# Altium PCB GN-1846-A-V2.PcbDoc (part 3 of 4)
Units mil, origin at the board's own origin, x right, y up, seen from the top; angles counter-clockwise.
Board outline 11624.17 x 2384.02 mil, 4 copper layers (Top, GND, VCC, Bottom), stack 40.7 mil thick; 450 components, 346 nets, 1652 pads, 832 vias.
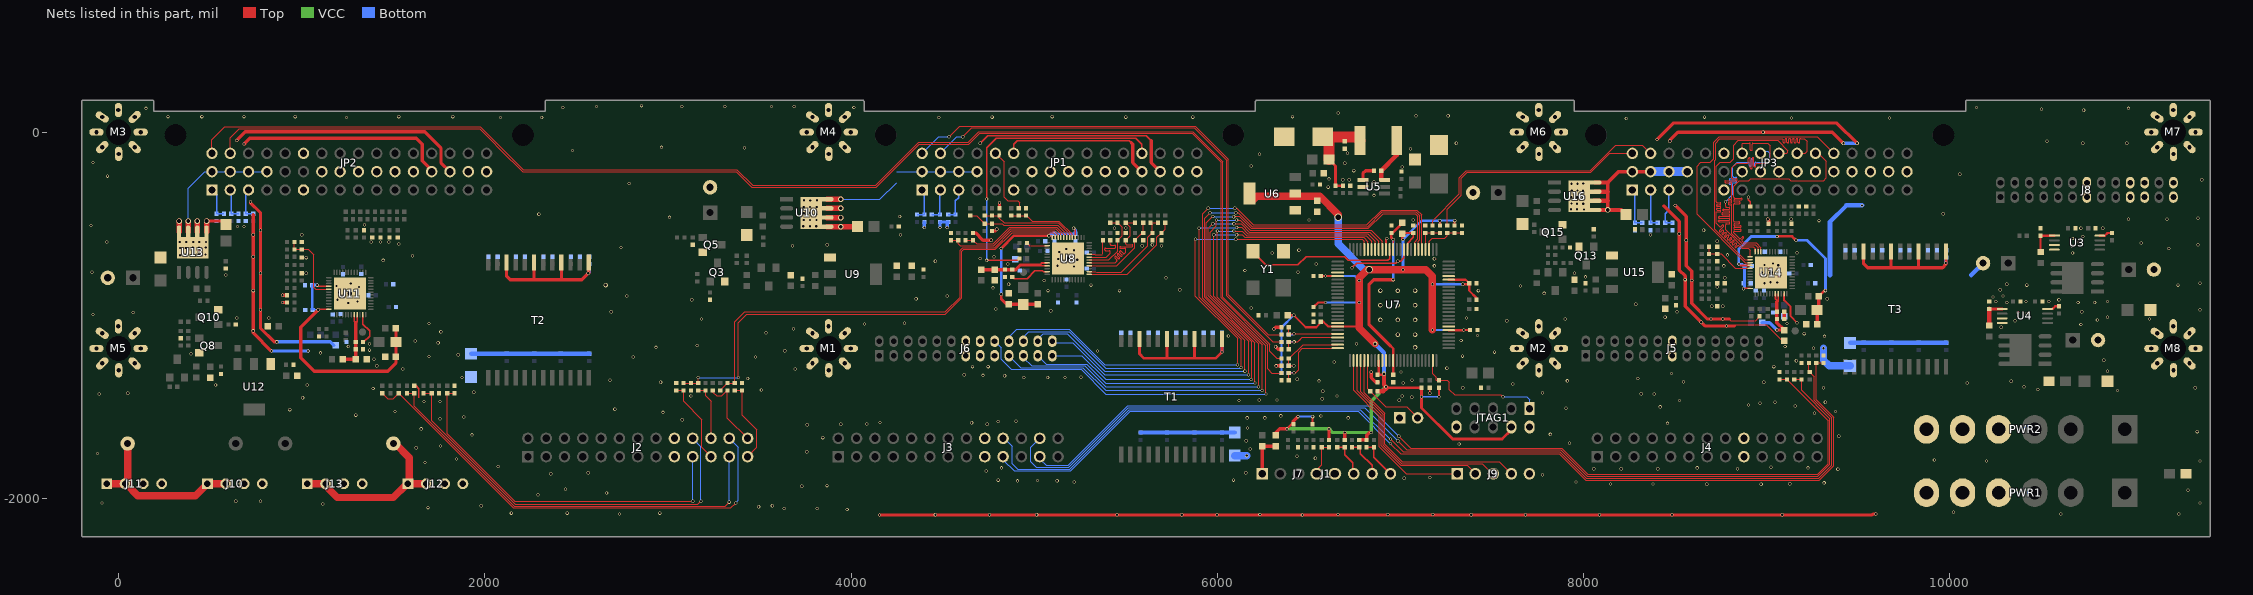
[diagram p5: the nets of this part, all layers, seen from the top]

## Via types
v1: diameter 18, hole 12, Top to Bottom, 768 vias
v2: diameter 24, hole 16, Top to Bottom, 34 vias
v3: diameter 30, hole 20, Top to Bottom, 27 vias
v4: diameter 40, hole 30, Top to Bottom, 2 vias
v5: diameter 24, hole 14, Top to Bottom, 1 vias

## Nets (pads, with @x,y where several pads share a name; then routed paths per layer and width w, separated by ;. In a path a pad name is that pad's centre, name@x,y a point inside that pad or via, vN(x,y) a via of type N, cw(c..) or ccw(c..) an arc to the next point about the centre after c; other vN are vias at no path point) (continued)
CRGMII_TXCKOUT: JP3.A11 U14.22 | length 1539.2
  Top w5: U14.22@8968.27,-651.89 8968.27,-630 8943.27,-605 8875,-605 8863.79,-593.79 cw(c8866.97,-590.61) 8863.79,-587.42 8871.82,-579.39 ccw(c8868.64,-576.21) 8871.82,-573.03 8871.11,-572.32 ccw(c8867.93,-575.5) 8864.75,-572.32 8856.72,-580.35 cw(c8853.54,-577.17) 8850.35,-580.35 8820,-550 8820,-544.5 cw(c8824.5,-544.5) 8824.5,-540 8855.5,-540 ccw(c8855.5,-535.5) 8860,-535.5 8860,-534.5 ccw(c8855.5,-534.5) 8855.5,-530 8824.5,-530 cw(c8824.5,-525.5) 8820,-525.5 8820,-524.5 cw(c8824.5,-524.5) 8824.5,-520 8855.5,-520 ccw(c8855.5,-515.5) 8860,-515.5 8860,-514.5 ccw(c8855.5,-514.5) 8855.5,-510 8824.5,-510 cw(c8824.5,-505.5) 8820,-505.5 8820,-504.5 cw(c8824.5,-504.5) 8824.5,-500 8846.87,-500 ccw(c8846.87,-495.5) 8851.37,-495.5 8851.37,-494.5 ccw(c8846.87,-494.5) 8846.87,-490 8824.5,-490 cw(c8824.5,-485.5) 8820,-485.5 8820,-394.5 cw(c8824.5,-394.5) 8824.5,-390 8849.56,-390 ccw(c8849.56,-385.5) 8854.06,-385.5 8854.06,-384.5 ccw(c8849.56,-384.5) 8849.56,-380 8824.5,-380 cw(c8824.5,-375.5) 8820,-375.5 8820,-374.5 cw(c8824.5,-374.5) 8824.5,-370 8860.5,-370 ccw(c8860.5,-365.5) 8865,-365.5 8865,-364.5 ccw(c8860.5,-364.5) 8860.5,-360 8824.5,-360 cw(c8824.5,-355.5) 8820,-355.5 8820,-295 8850,-265 8902.13,-265 8912.13,-255 9120,-255 9130,-265 9310,-265 9325,-250 9325,-160 9273.14,-108.14 JP3.A11@9265.75,-115.52
CRGMII_TXD0: JP3.A7 U14.23 | length 1537.8
  Top w5: 8770,-270.5 ccw(c8774.5,-270.5) 8774.5,-275 8805.5,-275 cw(c8805.5,-279.5) 8810,-279.5 8810,-360.5 cw(c8805.5,-360.5) 8805.5,-365 8793.73,-365 ccw(c8793.73,-369.5) 8789.23,-369.5 ; 8770,-269.5 cw(c8774.5,-269.5) 8774.5,-265 8834,-265 ccw(c8834,-260.5) 8838.5,-260.5 ; 8789.23,-390.5 ccw(c8793.73,-390.5) 8793.73,-395 8805.5,-395 cw(c8805.5,-399.5) 8810,-399.5 8810,-554.14 8870.86,-615 8937.52,-615 8952.52,-630 U14.23@8952.52,-651.89 ; 8789.23,-389.5 cw(c8793.73,-389.5) 8793.73,-385 8805.5,-385 ccw(c8805.5,-380.5) 8810,-380.5 ; 8789.23,-370.5 ccw(c8793.73,-370.5) 8793.73,-375 8805.5,-375 cw(c8805.5,-379.5) 8810,-379.5 ; 8838.5,-259.5 ccw(c8834,-259.5) 8834,-255 8814.5,-255 cw(c8814.5,-250.5) 8810,-250.5 8810,-195 8835,-170 8895.5,-170 ccw(c8895.5,-165.5) 8900,-165.5 8900,-144.5 cw(c8904.5,-144.5) 8904.5,-140 8905.5,-140 cw(c8905.5,-144.5) 8910,-144.5 8910,-195.5 ccw(c8914.5,-195.5) 8914.5,-200 8915.5,-200 ccw(c8915.5,-195.5) 8920,-195.5 8920,-144.5 cw(c8924.5,-144.5) 8924.5,-140 8925.5,-140 cw(c8925.5,-144.5) 8930,-144.5 8930,-184.96 ccw(c8934.5,-184.96) 8934.5,-189.46 8935.5,-189.46 ccw(c8935.5,-184.96) 8940,-184.96 8940,-174.5 cw(c8944.5,-174.5) 8944.5,-170 9005,-170 9020,-155 9020,-75 9005,-60 8924.5,-60 ccw(c8924.5,-64.5) 8920,-64.5 8920,-95.5 cw(c8915.5,-95.5) 8915.5,-100 8914.5,-100 cw(c8914.5,-95.5) 8910,-95.5 8910,-64.5 ccw(c8905.5,-64.5) 8905.5,-60 8870,-60 8865.75,-64.25 JP3.A7@8865.75,-118.39
CRGMII_TXD1: JP3.A8 U14.24 | length 1563.4
  Top w5: v1(8775,-380) 8775,-405.5 ccw(c8779.5,-405.5) 8779.5,-410 8794.31,-410 cw(c8794.31,-414.5) 8798.81,-414.5 8798.81,-415.5 cw(c8794.31,-415.5) 8794.31,-420 8765.19,-420 ccw(c8765.19,-424.5) 8760.69,-424.5 8760.69,-425.5 ccw(c8765.19,-425.5) 8765.19,-430 8794.31,-430 cw(c8794.31,-434.5) 8798.81,-434.5 8798.81,-435.5 cw(c8794.31,-435.5) 8794.31,-440 8759.46,-440 ccw(c8759.46,-444.5) 8754.96,-444.5 8754.96,-445.5 ccw(c8759.46,-445.5) 8759.46,-450 8794.31,-450 cw(c8794.31,-454.5) 8798.81,-454.5 8798.81,-455.5 cw(c8794.31,-455.5) 8794.31,-460 8740.69,-460 ccw(c8740.69,-464.5) 8736.19,-464.5 8736.19,-465.5 ccw(c8740.69,-465.5) 8740.69,-470 8794.31,-470 cw(c8794.31,-474.5) 8798.81,-474.5 8798.81,-475.5 cw(c8794.31,-475.5) 8794.31,-480 8740.69,-480 ccw(c8740.69,-484.5) 8736.19,-484.5 8736.19,-485.5 ccw(c8740.69,-485.5) 8740.69,-490 8794.31,-490 cw(c8794.31,-494.5) 8798.81,-494.5 8798.81,-495.5 cw(c8794.31,-495.5) 8794.31,-500 8779.5,-500 ccw(c8779.5,-504.5) 8775,-504.5 8775,-533.28 8866.72,-625 8925,-625 8936.78,-636.78 U14.24@8936.78,-651.89
  Bottom w5: v1(8775,-380) 8815,-340 8815,-289.5 ccw(c8810.5,-289.5) 8810.5,-285 8799.5,-285 cw(c8799.5,-280.5) 8795,-280.5 8795,-279.5 cw(c8799.5,-279.5) 8799.5,-275 8830.5,-275 ccw(c8830.5,-270.5) 8835,-270.5 8835,-269.5 ccw(c8830.5,-269.5) 8830.5,-265 8799.5,-265 cw(c8799.5,-260.5) 8795,-260.5 8795,-259.5 cw(c8799.5,-259.5) 8799.5,-255 8830.5,-255 ccw(c8830.5,-250.5) 8835,-250.5 8835,-249.5 ccw(c8830.5,-249.5) 8830.5,-245 8819.5,-245 cw(c8819.5,-240.5) 8815,-240.5 8815,-190 8840,-165 8900.5,-165 cw(c8900.5,-169.5) 8905,-169.5 8905,-180.5 ccw(c8909.5,-180.5) 8909.5,-185 8910.5,-185 ccw(c8910.5,-180.5) 8915,-180.5 8915,-149.5 cw(c8919.5,-149.5) 8919.5,-145 8920.5,-145 cw(c8920.5,-149.5) 8925,-149.5 8925,-180.5 ccw(c8929.5,-180.5) 8929.5,-185 8930.5,-185 ccw(c8930.5,-180.5) 8935,-180.5 8935,-169.5 cw(c8939.5,-169.5) 8939.5,-165 9010,-165 9015,-160 9015,-115 9005,-105 8976.27,-105 JP3.A8@8965.75,-115.52
CRGMII_TXD2: JP3.A9 U14.25 | length 1555.2
  Top w5: 8725,-420.5 ccw(c8729.5,-420.5) 8729.5,-425 8745.42,-425 cw(c8745.42,-429.5) 8749.92,-429.5 ; 8725,-419.5 cw(c8729.5,-419.5) 8729.5,-415 8745.42,-415 ccw(c8745.42,-410.5) 8749.92,-410.5 ; 8725,-400.5 ccw(c8729.5,-400.5) 8729.5,-405 8745.42,-405 cw(c8745.42,-409.5) 8749.92,-409.5 ; 8725,-399.5 cw(c8729.5,-399.5) 8729.5,-395 8745.42,-395 ccw(c8745.42,-390.5) 8749.92,-390.5 ; 8749.92,-430.5 cw(c8745.42,-430.5) 8745.42,-435 8725,-435 8725,-497.43 8742.82,-515.25 ccw(c8746,-512.06) 8749.18,-515.25 8756.61,-507.82 cw(c8759.79,-511) 8762.98,-507.82 8763.68,-508.52 cw(c8760.5,-511.7) 8763.68,-514.89 8742.04,-536.53 ccw(c8745.22,-539.72) 8742.04,-542.9 8742.74,-543.6 ccw(c8745.93,-540.42) 8749.11,-543.6 8756.96,-535.75 cw(c8760.14,-538.93) 8763.32,-535.75 8764.03,-536.46 cw(c8760.85,-539.64) 8764.03,-542.82 8756.18,-550.68 ccw(c8759.36,-553.86) 8756.18,-557.04 8756.89,-557.75 ccw(c8760.07,-554.56) 8763.25,-557.75 8771.1,-549.89 cw(c8774.29,-553.08) 8777.47,-549.89 8778.17,-550.6 cw(c8774.99,-553.78) 8778.17,-556.96 8770.32,-564.82 ccw(c8773.5,-568) 8770.32,-571.18 8771.03,-571.89 ccw(c8774.21,-568.71) 8777.39,-571.89 8785.25,-564.04 cw(c8788.43,-567.22) 8791.61,-564.04 8792.32,-564.74 cw(c8789.13,-567.92) 8792.32,-571.11 8784.46,-578.96 ccw(c8787.65,-582.14) 8784.46,-585.32 8785.17,-586.03 ccw(c8788.35,-582.85) 8791.53,-586.03 8799.39,-578.18 cw(c8802.57,-581.36) 8805.75,-578.18 8806.46,-578.88 cw(c8803.28,-582.07) 8806.46,-585.25 8798.61,-593.1 ccw(c8801.79,-596.28) 8798.61,-599.47 8799.31,-600.17 ccw(c8802.49,-596.99) 8805.68,-600.17 8813.53,-592.32 cw(c8816.71,-595.5) 8819.89,-592.32 8820.6,-593.03 cw(c8817.42,-596.21) 8820.6,-599.39 8812.75,-607.24 ccw(c8815.93,-610.43) 8812.75,-613.61 8813.45,-614.32 ccw(c8816.64,-611.13) 8819.82,-614.32 8827.67,-606.46 cw(c8830.85,-609.64) 8834.04,-606.46 8834.74,-607.17 cw(c8831.56,-610.35) 8834.74,-613.53 8826.89,-621.39 ccw(c8830.07,-624.57) 8826.89,-627.75 8827.6,-628.46 ccw(c8830.78,-625.28) 8833.96,-628.46 8841.81,-620.6 cw(c8845,-623.79) 8848.18,-620.6 8862.57,-635 8900,-635 8908.43,-643.43 U14.25@8908.43,-680.24 ; 8749.92,-389.5 ccw(c8745.42,-389.5) 8745.42,-385 8729.5,-385 cw(c8729.5,-380.5) 8725,-380.5 8725,-185 8745,-165 8800,-165 8820,-145 8820,-70 8845,-45 9060,-45 9115,-100 9115,-110 9109.48,-115.52 JP3.A9@9065.75,-115.52
CRGMII_TXD3: JP3.A10 U14.26 | length 1560.5
  Top w5: U14.26@8908.43,-695.98 8880.98,-695.98 8715,-530 8715,-154.14 8720,-149.14 8720,-59.14 8744.14,-35 9085,-35 9090,-40 9090,-54.02 ccw(c9094.5,-54.02) 9094.5,-58.52 9095.5,-58.52 ccw(c9095.5,-54.02) 9100,-54.02 9100,-39.5 cw(c9104.5,-39.5) 9104.5,-35 9105.5,-35 cw(c9105.5,-39.5) 9110,-39.5 9110,-54.02 ccw(c9114.5,-54.02) 9114.5,-58.52 9115.5,-58.52 ccw(c9115.5,-54.02) 9120,-54.02 9120,-39.5 cw(c9124.5,-39.5) 9124.5,-35 9125.5,-35 cw(c9125.5,-39.5) 9130,-39.5 9130,-54.02 ccw(c9134.5,-54.02) 9134.5,-58.52 9135.5,-58.52 ccw(c9135.5,-54.02) 9140,-54.02 9140,-39.5 cw(c9144.5,-39.5) 9144.5,-35 9145.5,-35 cw(c9145.5,-39.5) 9150,-39.5 9150,-54.02 ccw(c9154.5,-54.02) 9154.5,-58.52 9155.5,-58.52 ccw(c9155.5,-54.02) 9160,-54.02 9160,-39.5 cw(c9164.5,-39.5) 9164.5,-35 9165.5,-35 cw(c9165.5,-39.5) 9170,-39.5 9170,-54.02 ccw(c9174.5,-54.02) 9174.5,-58.52 9175.5,-58.52 ccw(c9175.5,-54.02) 9180,-54.02 9180,-39.5 cw(c9184.5,-39.5) 9184.5,-35 9205,-35 9220,-50 9220,-105 9209.48,-115.52 JP3.A10@9165.75,-115.52
CRGMII_TXEN: JP3.A12 U14.27 | length 1563.4
  Top w5: U14.27@8908.43,-711.73 8882.59,-711.73 8620,-449.14 8620,-185 8640,-165 8690,-165 8710,-145 8710,-55 8740,-25 9275.62,-25 JP3.A12@9365.75,-115.13
EPHY_CLK: JP1.A13 R39.1 | length 1731.5
  Top w8: v1(4740,-700) 4910,-700 R39.1@4920,-690 ; v1(4740,-365) 4740,-85 4791.85,-33.15 5555.11,-33.15 5587.8,-65.84 JP1.A13@5587.8,-115.41
  Bottom w8: v1(4740,-700) v1(4740,-365)
EPHY_RSTN: JP1.A5 R35.1 | length 386.6
  Top w5: JP1.A5@4787.8,-115.41 4835,-162.61 4835,-355 4855,-375 4910,-375 4920,-385 R35.1@4920,-415
F3V3A: B2.2 C26.1 C27.1 U7.13 U7.63 | length 1088.8
  Top w8: C26.1@6950,-550 C26.1@6955.47,-550 ; U7.63@6959.81,-640.27 6960,-640.08 v1(6960,-585.84)
  Top w12: 6943.15,-1165.84 6944.81,-1165.84 6959.81,-1180.84 U7.13@6959.81,-1246.56 C27.1@6959.81,-1324.81
  Top w15: C26.1@6950,-550 6950,-575.84 v1(6960,-585.84) ; C26.1@6955.47,-550 B2.2@7010,-495.47
  Top w18: 6943.15,-1165.84 6828.15,-1050.84 6828.15,-830 6853.15,-805 v1(6960,-805)
  Bottom w15: v1(6960,-805) v1(6960,-585.84)
F3V3D: B1.1 B2.1 B13.2 C14.1 C15.1 C21.1 C22.1 C23.1 C24.1 C25.1 JTAG1.4 R17.1 R19.1 R20.1 R23.2 R300.1 R301.1 R302.1 R304.1 R426.2 R427.2 R428.2 R429.2 R430.2 R431.2 R432.1 R433.1 R500.2 U6.2 U6.4 U7.9 U7.31 U7.45 U7.59 U7.80 U7.94 | length 7436.6
  Top w8: U7.59@7038.55,-640.27 7038.55,-606.45 7070,-575 C25.1@7070,-550
  Top w10: C24.1@6565,-785 v1(6590,-785) ; v1@6590.94,-785.94 U7.80@6656.66,-785.94 ; v1(7210,-1445) R19.1@7210,-1395
  Top w12: v1(6380,-1620) R432.1@6405,-1595 ; B1.1@6393,-1000 B1.1@6384.53,-1000 v1(6417,-1000) 6482,-1065 6540,-1065 6565,-1040 C21.1@6565,-1035 6578.47,-1035 6605,-1061.53 6773.47,-1061.53 ; R433.1@6520,-1595 v1(6520,-1553) ; R17.1@6525,-955 6550,-930 v1(6590,-930) ; C23.1@6880,-1325 6881.07,-1323.93 U7.9@6881.07,-1246.56 ; B2.1@7010,-554.53 7014.53,-550 C25.1@7070,-550 ; R431.2@7215,-510 v1@7215,-485 ; U7.31@7262.96,-1081.21 v1@7343.79,-1081.21 ; U7.45@7262.96,-805.62 7355.62,-805.62 C15.1@7375,-825 7375,-865 7415,-905 R23.2@7415,-915 ; R430.2@7295,-510 v1@7295,-484 ; v1(7345,-1080) C22.1@7380,-1080
  Top w15: C23.1@6880,-1325 v2@6905,-1325 ; v1@6925,-1395 R20.1@7115,-1395 v1(7115,-1445) 7115,-1505 7285,-1675 7555,-1675 7605,-1625 JTAG1.4@7605,-1610 ; v1@7010,-582.69 B2.1@7010,-554.53 ; v1(7340,-830) C15.1@7370,-830
  Top w18: B13.2@6320,-1655.47 6320,-1640 6340,-1620 v1(6380,-1620) ; R432.1@6415,-1595 6415,-1578 v1(6440,-1553) ; R302.1@6610,-1680 v1(6610,-1620) ; R301.1@6695,-1680 v1(6695,-1640) ; R300.1@6775,-1680 R304.1@6815,-1680 6815,-1655 6830,-1640
  Top w24: R500.2@6875,-1415 6905,-1415 v1@6925,-1395 ; v2(6910,-1320) 6910,-1380.11 6919.94,-1390.06 v1@6924.89,-1395
  Top w40: U6.4@6195,-370 6215,-350 6560,-350 v4@6660,-450 ; 6773.15,-1067.92 v2(6861.07,-1155.84) ; 6775,-1060 6775,-793.99 v4@6818.15,-750.84 ; v4@6830,-750.84 v1(7013.15,-750.84) 7138.15,-750.84 7173.15,-785.84 v1@7173.15,-1080
  VCC w18: v1(6380,-1620) v1(6610,-1620) 6630,-1640 v1(6695,-1640) v1(6840,-1640) 6840,-1470 v1(6920,-1390)
  Bottom w10: v1(7115,-1445) v1(7210,-1445)
  Bottom w12: R429.2@6350,-1315 R426.2@6350,-1105 6350,-1067 v1(6417,-1000) ; v1(6440,-1553) v1(6520,-1553) ; v1(6590,-930) v1@6770,-930 ; v1(6590,-785) 6750,-785 v1(6775,-810) ; v1(7013.15,-585.84) 7114.99,-484 v1(7214,-484) ; v1(7175,-1080) v1(7345,-1080) ; v1@7215,-483 v1(7296,-483)
  Bottom w15: v1(7013.15,-750.84) v1(7013.15,-585.84) ; v1(7175,-830) v1(7340,-830)
  Bottom w24: v2(6861.07,-1155.84) 6910,-1204.77 v2(6910,-1320)
  Bottom w40: v4(6660,-465) 6660,-610 6800,-750
  other v1: 6775,-930
  other v4: 6830,-750
F_25MHZ: U7.64 Y1.3 | length 866.2
  Top w8: Y1.3@6204.61,-639.69 6204.61,-664.61 6265,-725 6440,-725 6485,-680 6695,-680 6715,-700 6930,-700 6940.12,-689.88 U7.64@6940.12,-640.27
G0_UART_RX: R75.2 R421.1 R426.1 U7.96 | length 338
  Top w5: R421.1@6390,-1065 R75.2@6390,-1105 6394.1,-1100.9 6418,-1100.9 U7.96@6656.66,-1100.9
  Bottom w8: R426.1@6390,-1105 6414,-1105 v1(6418,-1101)
G0_UART_TX: R76.2 R420.1 R427.1 U7.97 | length 366.2
  Top w5: R420.1@6390,-1185 R76.2@6390,-1145 v1(6419,-1145) 6438.58,-1145 6463,-1120.58 ; 6448.58,-1135 6463,-1120.58 ; U7.97@6656.66,-1120.58 6463,-1120.58
  Bottom w8: R427.1@6390,-1145 v1(6419,-1145)
G1_UART_RX: R135.2 R422.1 R428.1 U7.99 | length 381.7
  Top w5: R422.1@6390,-1265 R135.2@6390,-1235 6393.14,-1235 6468.19,-1159.95 U7.99@6656.66,-1159.95
  Top w8: R422.1@6390,-1275 v1(6417,-1275)
  Bottom w8: R428.1@6390,-1275 v1(6417,-1275)
G1_UART_TX: R137.2 R423.1 R429.1 U7.100 | length 438.6
  Top w5: R423.1@6390,-1345 6390,-1314 v1(6418,-1314) 6427,-1314 6443,-1298 6443,-1201 6464.36,-1179.64 U7.100@6656.66,-1179.64
  Bottom w8: R429.1@6390,-1315 6391,-1314 v1(6418,-1314)
G2_UART_RX: R195.2 R419.1 R430.1 U7.53 | length 252
  Top w5: U7.53@7156.66,-640.27 7156.66,-594.34 7172,-579 7242,-579 7255,-566 R195.2@7255,-550 R419.1@7335,-550
G2_UART_TX: R196.2 R418.1 R431.1 U7.54 | length 173.6
  Top w5: R418.1@7135,-550 R418.1@7145,-550 ; U7.54@7136.97,-640.27 7136.97,-558.03 R418.1@7145,-550 ; R431.1@7215,-550 R196.2@7175,-550 R418.1@7145,-550
GE0_ENREG: R48.1 U8.38 | length 115.9
  Top w5: R48.1@4960,-605 4974.13,-619.13 5001.82,-619.13 U8.38@5070.04,-619.13
GE0_INT_N: R46.1 U8.20 | length 152.4
  Top w5: U8.20@5299.96,-666.38 5329.07,-666.38 5331.85,-669.16 5370,-669.16 5375,-664.16 R46.1@5375,-590
GE0_LED0: R42.1 R44.1 R52.1 U8.34 | length 2575
  Top w5: R52.1@3285,-1410 R42.1@3325,-1370 R44.1@3365,-1370 3365,-1035 3420,-980 4515,-980 4595,-900 4595,-645.86 4610.86,-630 4783.28,-630 4874.78,-538.5 5108.5,-538.5 5129.88,-559.88 U8.34@5129.88,-575.04
GE0_LED1: R37.1 R38.1 R55.1 U8.35 | length 2731.9
  Top w5: R38.1@3085,-1370 R37.1@3165,-1370 v1@3165,-1345 ; v1(3385,-1340) 3385,-1040 3430,-995 4514.14,-995 4605,-904.14 4605,-650 4615,-640 4787.43,-640 4878.93,-548.5 5103.5,-548.5 5114.13,-559.13 U8.35@5114.13,-575.04
  Bottom w5: v1(3165,-1340) 3340,-1340 ; 3345,-1340 3340,-1340 ; v1(3385,-1340) 3340,-1340
GE0_LED2: R63.1 R64.1 U8.32 | length 616.9
  Top w5: R63.1@4625,-590 R64.1@4665,-590 4685,-610 4775,-610 4866.5,-518.5 5123.5,-518.5 5161.38,-556.38 U8.32@5161.38,-575.04
GE0_PME: R50.1 R51.1 U8.33 | length 693.3
  Top w5: R51.1@4545,-590 R50.1@4585,-590 4585,-610 4595,-620 4779.14,-620 4870.64,-528.5 5118.5,-528.5 5145.63,-555.63 U8.33@5145.63,-575.04
GE0_RXCLK: R27.2 U8.19 | length 300.7
  Top w5: U8.19@5299.96,-682.13 5392.87,-682.13 5415,-660 5415,-652.75 ccw(c5409.75,-652.75) 5409.75,-647.5 5390.25,-647.5 cw(c5390.25,-642.25) 5385,-642.25 5385,-637.75 cw(c5390.25,-637.75) 5390.25,-632.5 5439.75,-632.5 ccw(c5439.75,-627.25) 5445,-627.25 5445,-622.75 ccw(c5439.75,-622.75) 5439.75,-617.5 5420.25,-617.5 cw(c5420.25,-612.25) 5415,-612.25 R27.2@5415,-590
GE0_RXCTL: R28.2 R56.1 U8.13 | length 575.6
  Top w5: U8.13@5299.96,-776.61 5329.3,-776.61 5508.39,-776.61 5670,-615 5670,-575 R56.1@5695,-550 5715,-530 R28.2@5715,-495
GE0_RXD0: R29.2 R59.1 R61.1 U8.14 | length 561.3
  Top w5: U8.14@5299.96,-760.87 5328.56,-760.87 5335.87,-760.87 5340,-765 5475,-765 5620,-620 5620,-575 R61.1@5645,-550 5645,-505 R59.1@5635,-495 R29.2@5675,-495
GE0_RXD1: R30.2 R66.1 R67.1 U8.16 | length 447.8
  Top w5: U8.16@5299.96,-729.37 5372.06,-729.37 5450.63,-729.37 5550,-630 R30.2@5550,-590 5590,-550 R67.1@5595,-550 R66.1@5595,-495
GE0_RXD2: R31.2 R68.1 R70.1 U8.17 | length 716.5
  Top w5: U8.17@5299.96,-713.62 5371.31,-713.62 5441.38,-713.62 5450.5,-704.5 ccw(c5446.97,-700.96) 5450.5,-697.43 5439.86,-686.79 cw(c5443.4,-683.25) 5439.86,-679.72 cw(c5443.4,-683.25) 5446.93,-679.72 5457.57,-690.36 ccw(c5461.11,-686.82) 5464.64,-690.36 ccw(c5461.11,-686.82) 5464.64,-683.28 5454,-672.64 cw(c5457.54,-669.11) 5454,-665.57 cw(c5457.54,-669.11) 5461.08,-665.57 5471.72,-676.21 ccw(c5475.25,-672.68) 5478.79,-676.21 ccw(c5475.25,-672.68) 5478.79,-669.14 5466.79,-657.15 cw(c5470.33,-653.61) 5466.79,-650.08 cw(c5470.33,-653.61) 5473.86,-650.08 5485.86,-662.07 ccw(c5489.39,-658.54) 5492.93,-662.07 5500,-655 5500,-640 ccw(c5495,-640) 5495,-635 5471,-635 cw(c5471,-630) 5466,-630 cw(c5471,-630) 5471,-625 5534,-625 ccw(c5534,-620) 5539,-620 ccw(c5534,-620) 5534,-615 5505,-615 cw(c5505,-610) 5500,-610 R70.1@5500,-590 5525,-565 5525,-520 R68.1@5500,-495 R31.2@5550,-495
GE0_RXD3: R33.2 R71.1 R72.1 U8.18 | length 390
  Top w5: U8.18@5299.96,-697.87 5406.15,-697.87 5455,-649.02 R72.1@5455,-590 5480,-565 5480,-520 R71.1@5455,-495 R33.2@5415,-495
GND: C1.2 C2.2 C3.2 C5.2 C6.2 C9.2 C10.2 C12.2 C13.2 C14.2 C15.2 C16.2 C17.2 C18.2 C19.2 C20.1 C21.2 C22.2 C23.2 C24.2 C25.2 C26.2 C27.2 C28.2 C29.2 C30.2 C31.2 C32.2 C33.2 C34.2 C35.2 C36.2 C37.2 C38.2 C39.2 C40.2 C41.2 C42.2 C43.2 C44.2 C45.1 C46.1 C47.2 C48.1 C49.1 C50.1 C51.1 C52.1 C53.1 C54.1 C55.2 C56.2 C57.2 C58.2 C59.1 C60.1 C61.2 C62.2 C63.2 C64.2 C65.2 C66.2 C67.2 C68.2 C69.2 C70.2 C71.2 C72.2 C73.2 C74.2 C75.2 C76.2 C77.2 C78.1 C79.1 C80.1 C81.1 C82.1 C83.1 C84.1 C85.1 C86.2 C87.2 C88.1 C89.2 C90.2 C91.2 C92.2 C93.1 C94.1 C95.2 C96.2 C97.2 C98.2 C99.2 C100.2 C101.2 C102.2 C103.2 C104.2 C105.2 C106.2 C107.2 C108.2 C109.2 C110.2 C111.2 C112.2 C113.1 C114.1 C115.1 C116.1 C117.1 C118.1 C119.1 C120.1 C121.2 C122.1 C123.2 C124.2 C125.2 C126.2 C127.1 C128.1 C129.2 C300.2 C301.2 C302.2 C303.2 C304.2 C305.2 J1.5 J2.17 J2.18 J3.17 J3.18 J4.17 J4.18 J5.13 J5.14 J6.13 J6.14 J6.15 J6.16 J6.17 J7.5 J8.13 J8.14 J8.19 J8.20 J8.21 J8.22 J8.25 J8.26 J9.5 J10.3 J10.4 J11.3 J11.4 J12.3 J12.4 J13.3 J13.4 J14.1 JP1.A6 JP1.B7 JP1.B8 JP1.B9 JP1.B10 JP1.B11 JP1.B12 JP1.B13 JP1.B14 JP1.B15 JP1.B16 JP1.C6 JP2.A6 JP2.B7 JP2.B8 JP2.B9 JP2.B10 JP2.B11 JP2.B12 JP2.B13 JP2.B14 JP2.B15 JP2.B16 JP2.C6 JP3.A6 JP3.B7 JP3.B8 JP3.B9 JP3.B10 JP3.B11 JP3.B12 JP3.B13 JP3.B14 JP3.B15 JP3.B16 JP3.C6 JTAG1.2 JTAG1.10 M1.2 M1.3 M1.4 M1.5 M1.6 M1.7 M1.8 M1.9 M2.2 M2.3 M2.4 M2.5 M2.6 M2.7 M2.8 M2.9 M3.2 M3.3 M3.4 M3.5 M3.6 M3.7 M3.8 M3.9 M4.2 M4.3 M4.4 M4.5 M4.6 M4.7 M4.8 M4.9 M5.2 M5.3 M5.4 M5.5 M5.6 M5.7 M5.8 M5.9 M6.2 M6.3 M6.4 M6.5 M6.6 M6.7 M6.8 M6.9 M7.2 M7.3 M7.4 M7.5 M7.6 M7.7 M7.8 M7.9 M8.2 M8.3 M8.4 M8.5 M8.6 M8.7 M8.8 M8.9 PWR1.4 PWR1.5 PWR1.6 PWR2.4 PWR2.5 PWR2.6 Q3.2 Q5.2 Q8.2 Q10.2 Q13.2 Q15.2 R1.2 R4.2 R5.2 R6.2 R7.1 R11.2 R18.1 R21.2 R22.2 R40.1 R43.1 R45.1 R51.2 R55.2 R56.2 R61.2 R64.2 R67.2 R70.2 R72.2 R74.1 R81.1 R83.1 R100.1 R101.1 R105.1 R111.2 R115.2 R116.2 R121.2 R125.2 R126.2 R130.2 R132.2 R134.1 R141.1 R143.1 R160.1 R161.1 R165.1 R171.2 R175.2 R176.2 R181.2 R184.2 R187.2 R190.2 R192.2 R194.1 R201.1 R203.1 R400.2 R401.2 R402.2 R403.2 R404.2 R405.2 R406.2 R407.2 R408.2 R418.2 R419.2 R420.2 R421.2 R422.2 R423.2 R424.1 R425.1 U3.3 U3.4 U4.3 U4.4 U5.2 U6.1 U7.10 U7.11 U7.32 U7.46 U7.60 U7.65 U7.79 U7.93 U8.47 U8.49 U9.1 U11.47 U11.49 U12.1 U14.47 U14.49 U15.1 Y1.2 | length 19255.5
  Top w5: 7177.52,-722.52 v1(7185,-730) v1@7190.5,-730 ; v1(7184.78,-691.04) 7195.4,-691.04 ; 8795,-1020 8803.5,-1028.5 8940,-1028.5 8960,-1008.5 R160.1@8960,-1005 ; 8815,-1060 8817,-1058 8823.5,-1051.5 8996.5,-1051.5 9084.53,-1139.53 C98.2@9095,-1139.53
  Top w8: U11.47@1334.02,-995.8 1334.02,-1048.68 1370.42,-1085.08 1370.42,-1114.58 C63.2@1340,-1145 ; R105.1@1615,-1385 1625,-1385 1640,-1400 1640,-1450 ; v1(4705,-60) 4745,-20 5612.39,-20 5638.23,-45.84 ; C28.2@4880,-790 4890.09,-800.09 4961.19,-800.09 5004.02,-757.26 5045.97,-757.26 5049.58,-760.87 U8.47@5070.04,-760.87 ; JP1.A6@4887.8,-115.41 4887.8,-67.2 4907.66,-47.34 5519.65,-47.34 5530.65,-58.34 ; v1(6735,-740) 6760,-715 6975,-715 v1(6985,-705) 7000,-705 7018.86,-686.14 U7.60@7018.86,-640.27 ; v1(7160,-1425) R21.2@7160,-1395 ; v1(8900,-355) 8900,-370 8910,-380 R192.2@8910,-405
  Top w10: U7.65@6920,-640.71 U7.65@6920.44,-640.27 v1@6920.44,-585.84 ; v1@7183.87,-690.13 v1(7184.78,-691.04) ; U14.47@9094.26,-881.81 9094.26,-918.33 9130,-954.07 9130,-1005 v1(9165,-1040)
  Top w18: v1(645,-45) 692.5,2.5 1672.21,2.5 1760.55,-85.84 1760.55,-165.84 JP2.B14@1809.84,-215.13 ; v1(720,-380) 720,-384.54 775,-439.54 v1(775,-535) v1(775,-770) v1(775,-970) 775,-1070 850,-1145 v1(864,-1145) ; 735,-450.46 v1(735,-560) v1(735,-680) v1(735,-865) v1(735,-1085) 735,-1095 v1(835,-1195) ; v1(895,-930) R111.2@920,-930 ; v1(895,-890) R125.2@920,-890 ; JP2.B13@1709.84,-215.13 1708.15,-213.44 1708.15,-205.84 1658.15,-155.84 1658.15,-65.84 1625.81,-33.5 716.5,-33.5 v1@688.99,-61.01 ; v1(4154.8,-2089.8) 4460,-2089.8 4756,-2089.8 5013,-2089.8 5452,-2089.8 5805,-2089.8 5998,-2089.8 6232,-2089.8 v1(6464,-2089.8) 6659,-2089.8 6930,-2089.8 7176,-2089.8 7386,-2089.8 7682,-2089.8 8087,-2089.8 8482,-2089.8 9084,-2089.8 9575,-2089.8 9579.8,-2085 v1(9595,-2085) ; R64.2@4665,-550 4680,-550 4720,-590 v1(4765,-590) ; C60.1@4770,-540 4785,-540 v1(4795,-530) ; C59.1@4810,-415 v1(4810,-385) ; 5530.65,-58.34 5538.15,-65.84 5538.15,-165.84 5558.11,-185.8 5558.19,-185.8 JP1.B13@5587.8,-215.41 ; 5638.23,-45.84 5638.23,-165.84 JP1.B14@5687.8,-215.41 ; v1(6308,-1075) 6318,-1065 R421.2@6350,-1065 ; v1(6318,-1172) 6331,-1185 R420.2@6350,-1185 ; v1(6321,-1276) 6322,-1275 R422.2@6350,-1275 ; v1(6840,-1310) 6840,-1340 6865,-1365 C23.2@6880,-1365 ; v1(8400,-40) 8490,50 9382.31,50 v1(9493.15,-60.84) ; 8437.27,-402.73 8522,-487.46 v1(8522,-555) 8522,-753 8554,-785 v1(8554,-805) 8554,-949.91 v1(8642,-1037.91) 8662.09,-1058 v1(8780,-1058) 8817,-1058 8823.5,-1058 ; v1(8470,-50) 8470,-45 8515,0 v1(8980,0) 9357.31,0 v1(9418.15,-60.84) ; v1(8500,-400) 8560,-460 v1(8560,-590) 8560,-730 8590,-760 v1(8590,-810) 8590,-935 8675,-1020 v1(8695,-1020) v1(8760,-1020) 8795,-1020 ; v1(9005,-475) 9010,-480 R190.2@9010,-500 ; 9095,-1006 C97.2@9095,-980 ; v1@688.99,-61.01 688.99,-65 v1(685,-65) v1@688.99,-61.01